# Altium PCB LimeSDR_Mini_1v0_Rounded.PcbDoc (part 5 of 5)
Units mm, origin at the board's own origin, x right, y up, seen from the top; angles counter-clockwise.
Board outline 69 x 52 mm, 8 copper layers (Top, L2, L3, L4, L5, L6, L7, Bottom), stack 1.555 mm thick; 371 components, 281 nets, 1636 pads, 782 vias.
Unrouted connection lines stored in the file: 12.
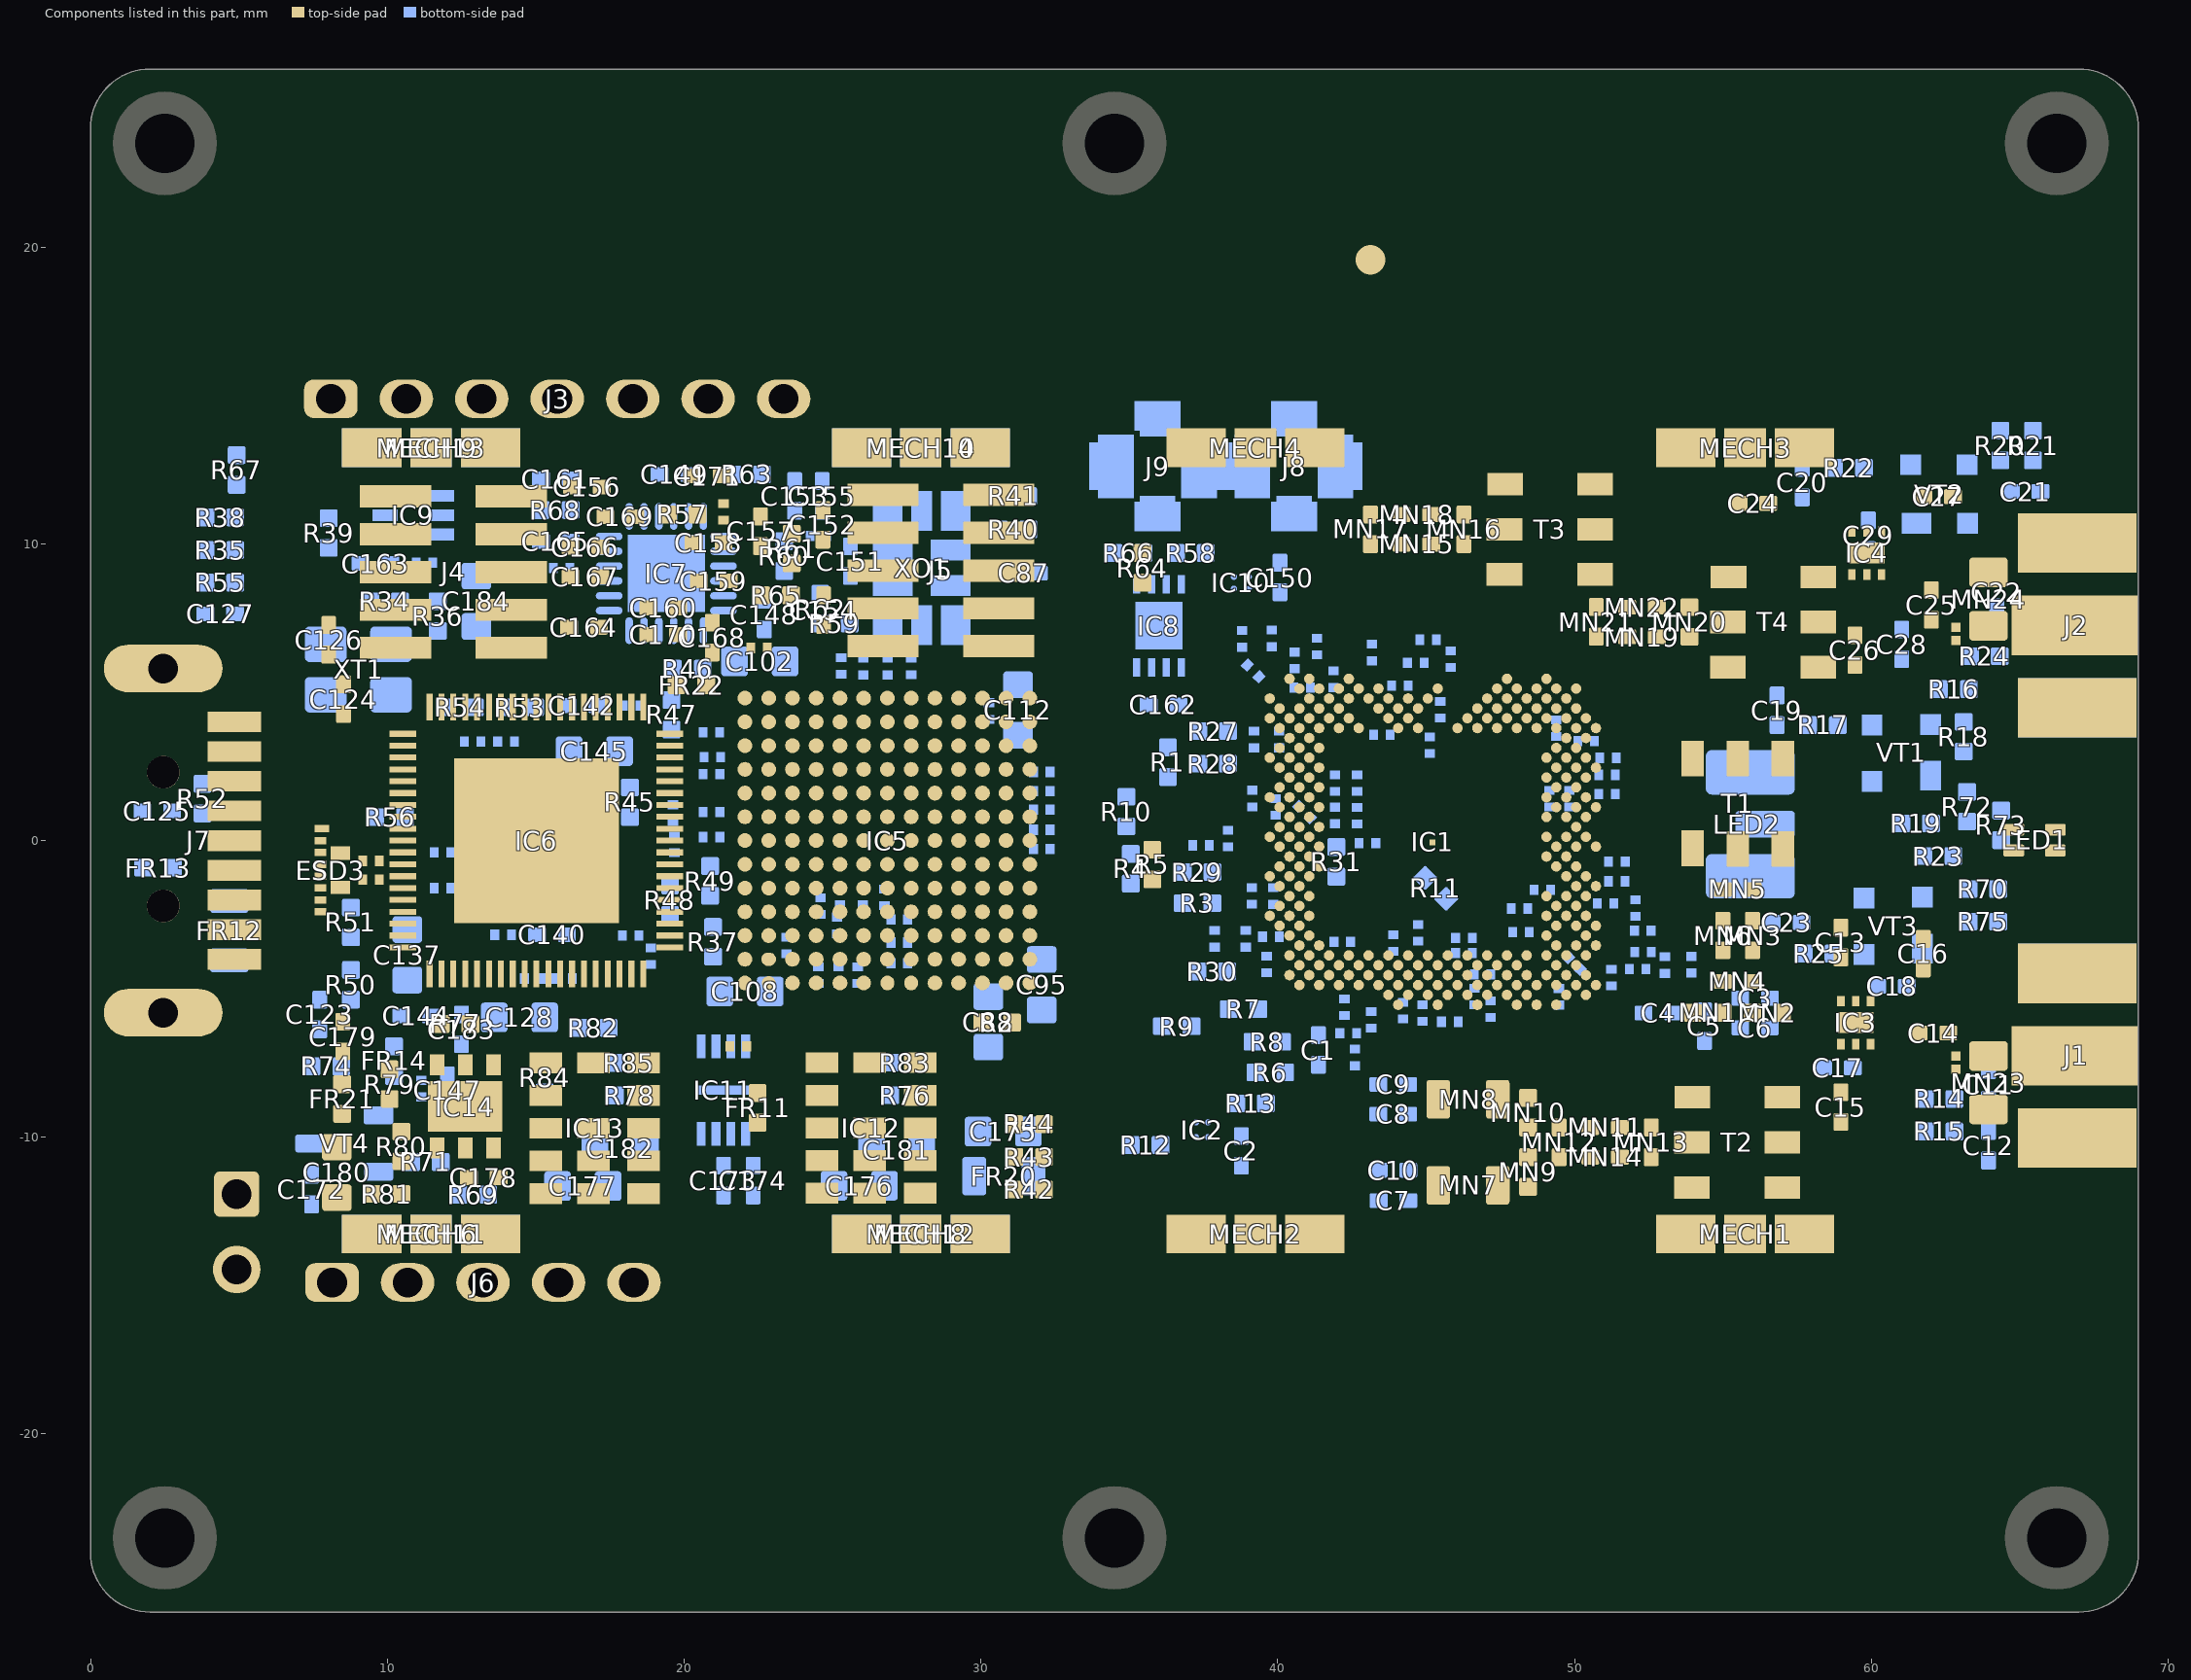
[diagram p11: the components of this part, seen from the top]

## Other copper
Top:
  region net GND: 3.4,3.365 5.75,3.365 5.75,2.64 3.4,2.64
  region net GND: 62.275,6.44 62.025,6.44 61.9,6.315 61.9,6.09 61.975,6.015 62.475,6.015 63.075,6.615 63.075,6.89 62.65,6.89 62.65,6.815
  region net GND: 63,-7.56 63.2,-7.76 63.2,-8.135 63.1,-8.235 62.7,-8.235 62.55,-8.085 62.55,-7.71 62.7,-7.56
  region net VCC1P8_LMS: 57.31,-5.46 57.135,-5.285 56.866,-5.285 56.693,-5.458 56.693,-5.808 57.308,-5.808
  region net VCC1P8_LMS: 57.31,-6.156 57.131,-6.335 56.87,-6.335 56.693,-6.158 56.693,-5.808 57.308,-5.808
  region net VCC1P8_LMS: 53.675,-6.156 53.854,-6.335 54.116,-6.335 54.293,-6.158 54.293,-5.808 53.677,-5.808
  region net VCC1P8_LMS: 53.675,-5.46 53.85,-5.285 54.12,-5.285 54.293,-5.458 54.293,-5.808 53.677,-5.808
  region net VDIO_LMS_FPGA: 10.375,-8.01 10.375,-7.16 10.025,-6.81 8.175,-6.81 8.175,-8.21 8.475,-8.51 8.825,-8.51 9.325,-8.01
  region net NetIC14_4: 9.725,-8.41 9.725,-9.71 10.325,-10.31 10.75,-10.31 11.175,-10.735 11.925,-10.735 12,-10.66 12,-10.085 11.9,-9.985 11.375,-9.985 10.425,-9.035 10.425,-8.41
  region net GND: 21.45,-4.41 21.45,-4.8 22.05,-4.8 21.66,-4.41
  region net TX1_1_A_P: 48.48,-5.778 48.427,-5.725 48.427,-5.583
  region net NetJ7_7: 4.85,-0.34 4.025,-0.34 3.875,-0.49 3.625,-0.49 3.525,-0.39 3.525,0 4.85,0
  region net NetJ7_7: 4.85,0.34 4.025,0.34 3.875,0.49 3.625,0.49 3.525,0.39 3.525,0 4.85,0
  region net GND: 48.675,-1.538 49.453,-1.538 49.475,-1.56 49.475,-1.36 48.7,-0.585 48.675,-0.585
  region net GND: 16.011,-12.887 16.011,-12.022 16.136,-11.897 17.786,-11.897 17.786,-12.887
  region net GND: 16.064,-6.589 16.064,-7.37 16.189,-7.495 17.839,-7.495 17.839,-6.589
  region net GND: 25.375,-6.579 25.375,-7.36 25.5,-7.485 27.15,-7.485 27.15,-6.579
  region net GND: 25.375,-12.66 25.375,-12.01 25.5,-11.885 27.15,-11.885 27.15,-12.66
  region net USB_VBUS: 3,-3.31 3,-2.69 4.28,-2.69 4.3,-2.71 4.3,-3.285 4.275,-3.31
  region net USB_VBUS: 5.75,-2.64 3.975,-2.64 3.8,-2.465 3.225,-2.465 3,-2.69 3,-2.99 5.75,-2.99
  region net USB_VBUS: 5.75,-3.36 3.975,-3.36 3.8,-3.535 3.225,-3.535 3,-3.31 3,-3.01 5.75,-3.01
  region net VCC3P3: 18.075,-10.435 19.425,-10.435 19.625,-10.635 19.625,-10.795 18.075,-10.795
  region net VCC3P3: 18.075,-11.155 19.425,-11.155 19.625,-10.955 19.625,-10.795 18.075,-10.795
  region net VCC3P3: 18.075,-11.535 19.425,-11.535 19.625,-11.735 19.625,-11.895 18.075,-11.895
  region net VCC3P3: 18.075,-12.255 19.425,-12.255 19.625,-12.055 19.625,-11.895 18.075,-11.895
  region net VCC3P3: 19.425,-11.155 19.425,-11.535 18.075,-11.535 18.075,-11.155
  region net VCC5P0_USB: 14.553,-11.155 14.553,-11.535 15.903,-11.535 15.903,-11.155
  region net VCC5P0_USB: 15.903,-12.255 14.553,-12.255 14.353,-12.055 14.353,-11.895 15.903,-11.895
  region net VCC5P0_USB: 15.903,-11.535 14.553,-11.535 14.353,-11.735 14.353,-11.895 15.903,-11.895
  region net VCC5P0_USB: 15.903,-11.155 14.553,-11.155 14.353,-10.955 14.353,-10.795 15.903,-10.795
  region net VCC5P0_USB: 15.903,-10.435 14.553,-10.435 14.353,-10.635 14.353,-10.795 15.903,-10.795
  region net NetIC13_1: 15.903,-7.855 14.553,-7.855 14.353,-7.655 14.353,-7.495 15.903,-7.495
  region net NetIC13_1: 15.903,-7.135 14.553,-7.135 14.353,-7.335 14.353,-7.495 15.903,-7.495
  region net NetIC13_11: 18.075,-7.135 19.425,-7.135 19.625,-7.335 19.625,-7.495 18.075,-7.495
  region net NetIC13_11: 18.075,-7.855 19.425,-7.855 19.625,-7.655 19.625,-7.495 18.075,-7.495
  region net NetIC13_10: 18.075,-8.235 19.425,-8.235 19.625,-8.435 19.625,-8.595 18.075,-8.595
  region net NetIC13_10: 18.075,-8.955 19.425,-8.955 19.625,-8.755 19.625,-8.595 18.075,-8.595
  region net VCC1P8: 27.386,-10.425 28.736,-10.425 28.936,-10.625 28.936,-10.785 27.386,-10.785
  region net VCC1P8: 27.386,-11.145 28.736,-11.145 28.936,-10.945 28.936,-10.785 27.386,-10.785
  region net VCC1P8: 27.386,-11.525 28.736,-11.525 28.936,-11.725 28.936,-11.885 27.386,-11.885
  region net VCC1P8: 27.386,-12.245 28.736,-12.245 28.936,-12.045 28.936,-11.885 27.386,-11.885
  region net VCC1P8: 28.736,-11.145 28.736,-11.525 27.386,-11.525 27.386,-11.145
  region net VCC5P0_USB: 23.864,-11.145 23.864,-11.525 25.214,-11.525 25.214,-11.145
  region net VCC5P0_USB: 25.214,-12.245 23.864,-12.245 23.664,-12.045 23.664,-11.885 25.214,-11.885
  region net VCC5P0_USB: 25.214,-11.525 23.864,-11.525 23.664,-11.725 23.664,-11.885 25.214,-11.885
  region net VCC5P0_USB: 25.214,-11.145 23.864,-11.145 23.664,-10.945 23.664,-10.785 25.214,-10.785
  region net VCC5P0_USB: 25.214,-10.425 23.864,-10.425 23.664,-10.625 23.664,-10.785 25.214,-10.785
  region net NetIC12_11: 27.386,-7.125 28.736,-7.125 28.936,-7.325 28.936,-7.485 27.386,-7.485
  region net NetIC12_11: 27.386,-7.845 28.736,-7.845 28.936,-7.645 28.936,-7.485 27.386,-7.485
  region net PG_VCC1P8: 27.386,-8.225 28.736,-8.225 28.936,-8.425 28.936,-8.585 27.386,-8.585
  region net PG_VCC1P8: 27.386,-8.945 28.736,-8.945 28.936,-8.745 28.936,-8.585 27.386,-8.585
  region net VCC3P3A: 21.95,-8.835 22.125,-9.01 22.875,-9.01 23.2,-8.685 23.2,-6.76 23.075,-6.635 22.075,-6.635 21.95,-6.76
  region net VCC1P8_LMS: 45.825,-8.06 44.8,-8.06 44.625,-8.235 44.625,-9.185 44.825,-9.385 45.825,-9.385
  region net VCC1P8_LMS: 45.825,-12.277 44.8,-12.277 44.625,-12.102 44.625,-11.152 44.825,-10.952 45.825,-10.952
  pour cut-out: 5.075,-4.46 9.075,-4.46 10.325,-3.21 10.325,3.015 8.15,3.015 6.58,1.445 5.855,1.445 5.075,0.665
  region net VCC1P8: 21.125,11.19 20.95,11.365 20.95,11.89 21,11.94 21.875,11.94 21.925,11.89 21.925,11.39 21.725,11.19
  region net VDIO_LMS: 7.8,-10.61 7.8,-11.285 7.925,-11.41 8.675,-11.41 8.8,-11.285 8.8,-10.61
  pour cut-out: 43.477,-13.01 42.1,-11.633 42.1,-7.51 43.1,-6.51 44.1,-6.51 45.925,-4.685 48.54,-4.685 49.515,-5.66 51.65,-5.66 52.525,-4.785 52.525,0.94 53.075,1.49 54.6,1.49 54.825,1.715 54.825,4.215 54.325,4.715 51.96,4.715 50.66,3.415 45.45,3.415 45.45,4.715 43.325,6.84 40.9,6.84 40.125,7.615 40.125,11.09 42.025,12.99 63.8,12.99 66.275,10.515 69,10.515 69,3.015 64.75,3.015 64.35,2.615 63.6,2.615 62,1.015 62,-0.685 63.625,-2.31 64.35,-2.31 65.45,-3.41 69,-3.41 69,-6.96 69,-10.535 66.25,-10.535 63.775,-13.01
  region net GND: 57.925,9.715 57.175,8.965 57.175,8.74 57.425,8.49 58.825,8.49 58.825,9.665 58.775,9.715
  region net GND: 49.15,12.99 49.55,12.59 49.55,12.015 49.95,11.615 51.425,11.615 52.175,12.365 52.175,12.99
  region net GND: 56.845,-7.685 55.96,-8.57 55.96,-8.795 56.21,-9.045 57.785,-9.045 58.035,-8.795 58.035,-8.57 57.15,-7.685
  region net VCC3P3: 12.5,-6.535 12.525,-6.535 13.325,-7.335 13.325,-7.91 13.875,-7.91 14.075,-8.11 14.075,-9.96 14.575,-9.46 14.575,-8.035 14.05,-7.51 14.05,-6.86 13.025,-5.835 12.5,-5.835
  region net VCC3P3: 14.575,-9.46 14.575,-10.035 13.9,-10.71 13.325,-10.71 13.325,-10.01 13.9,-10.01 14.125,-9.785 14.125,-9.46
  region net GND: 13.025,-7.21 13.175,-7.36 13.175,-8.11 13.925,-8.11 13.925,-9.81 11.375,-9.81 11.375,-8.11 12.15,-8.11 12.15,-7.21
  region net VDIO_LMS: 8.8,-8.91 8.1,-8.91 7.8,-9.21 7.8,-10.085 8.8,-10.085
  region net GND: 52.9,3.865 52.9,1.657 54.642,1.657 54.642,3.865
  region net NetC11_2: 63.3,-9.36 63.3,-9.71 63.475,-9.885 64.425,-9.885 64.6,-9.71 64.6,-9.36
  region net NetC21_2: 63.3,9.34 63.3,9.565 64.125,10.39 64.4,10.39 64.6,10.19 64.6,9.34
  region net GND: 64.7,-5.485 64.7,-2.01 67.55,-2.01 68.95,-3.41 68.95,-5.485
  region net GND: 64.7,9.015 64.7,12.49 67.55,12.49 68.95,11.09 68.95,9.015
  region net GND: 64.7,5.49 64.7,2.29 68.071,2.29 68.95,3.169 68.95,5.49
  region net GND: 64.7,-9.01 64.7,-12.485 67.55,-12.485 68.95,-11.085 68.95,-9.01
L2:
  pour cut-out: 54.15,6.555 53.535,6.555 53.535,7.18 54.15,7.18
  pour cut-out: 50.96,6.555 50.435,6.555 50.435,7.18 50.96,7.18
  pour cut-out: 50.96,8.175 50.435,8.175 50.435,7.55 50.96,7.55
  pour cut-out: 53.06,7.125 53.06,6.6 52.435,6.6 52.435,7.125
  pour cut-out: 51.44,7.125 51.44,6.6 52.065,6.6 52.065,7.125
  pour cut-out: 53.06,8.125 53.06,7.6 52.435,7.6 52.435,8.125
  pour cut-out: 51.44,8.125 51.44,7.6 52.065,7.6 52.065,8.125
  pour cut-out: 54.69,-6.11 55.315,-6.11 55.315,-5.485 54.69,-5.485
  pour cut-out: 55.69,-6.11 56.315,-6.11 56.315,-5.485 55.69,-5.485
  pour cut-out: 56.31,-5.01 56.31,-4.485 55.685,-4.485 55.685,-5.01
  pour cut-out: 54.69,-5.01 54.69,-4.485 55.315,-4.485 55.315,-5.01
  pour cut-out: 54.69,-1.91 54.69,-1.385 55.315,-1.385 55.315,-1.91
  pour cut-out: 56.31,-1.91 56.31,-1.385 55.685,-1.385 55.685,-1.91
  pour cut-out: 55.26,-4.01 54.735,-4.01 54.735,-3.385 55.26,-3.385
  pour cut-out: 55.26,-2.39 54.735,-2.39 54.735,-3.015 55.26,-3.015
  pour cut-out: 56.26,-4.01 55.735,-4.01 55.735,-3.385 56.26,-3.385
  pour cut-out: 56.26,-2.39 55.735,-2.39 55.735,-3.015 56.26,-3.015
  pour cut-out: 51.845,-10.93 51.845,-10.405 51.22,-10.405 51.22,-10.93
  pour cut-out: 50.225,-10.93 50.225,-10.405 50.85,-10.405 50.85,-10.93
  pour cut-out: 51.845,-9.93 51.845,-9.405 51.22,-9.405 51.22,-9.93
  pour cut-out: 50.225,-9.93 50.225,-9.405 50.85,-9.405 50.85,-9.93
  pour cut-out: 52.325,-10.98 52.85,-10.98 52.85,-10.355 52.325,-10.355
  pour cut-out: 52.325,-9.36 52.85,-9.36 52.85,-9.985 52.325,-9.985
  pour cut-out: 49.225,-9.36 49.75,-9.36 49.75,-9.985 49.225,-9.985
  pour cut-out: 49.225,-10.98 49.75,-10.98 49.75,-10.355 49.225,-10.355
  pour cut-out: 48.125,-10.36 48.125,-10.985 48.75,-10.985 48.75,-10.36
  pour cut-out: 48.125,-9.36 48.125,-9.985 48.75,-9.985 48.75,-9.36
  region net GND: 4.95,-7.685 4.95,-8.935 10.625,-8.935 10.625,-7.685
  region net USB_GND: 5.892,-6.935 10,-6.935 10.239,-6.696 10.239,-6.274 10.15,-6.185 5.825,-6.185 5.825,-6.868
  pour cut-out: 48.25,9.365 48.25,8.565 47.025,8.565 47.025,9.365
  pour cut-out: 48.275,12.405 48.275,11.605 47.05,11.605 47.05,12.405
  pour cut-out: 51.3,9.365 51.3,8.565 50.075,8.565 50.075,9.365
  pour cut-out: 54.585,-8.255 54.585,-9.055 53.36,-9.055 53.36,-8.255
  pour cut-out: 54.56,-11.295 54.56,-12.095 53.335,-12.095 53.335,-11.295
  pour cut-out: 57.61,-11.295 57.61,-12.095 56.385,-12.095 56.385,-11.295
  pour cut-out: 56.625,3.375 57.425,3.375 57.425,2.15 56.625,2.15
  pour cut-out: 53.585,0.35 54.385,0.35 54.385,-0.875 53.585,-0.875
  pour cut-out: 56.625,0.325 57.425,0.325 57.425,-0.9 56.625,-0.9
  pour cut-out: 54.58,8.49 54.58,9.29 55.805,9.29 55.805,8.49
  pour cut-out: 54.555,5.45 54.555,6.25 55.78,6.25 55.78,5.45
  pour cut-out: 57.59,5.451 57.59,6.251 58.815,6.251 58.815,5.451
  pour cut-out: 64.72,8.252 64.72,6.252 69,6.252 69,8.252
  pour cut-out: 54.15,7.555 53.535,7.555 53.535,8.18 54.15,8.18
  pour cut-out: 46.575,10.68 45.96,10.68 45.96,11.305 46.575,11.305
  pour cut-out: 43.865,11.25 43.865,10.725 44.49,10.725 44.49,11.25
  pour cut-out: 45.485,11.25 45.485,10.725 44.86,10.725 44.86,11.25
  pour cut-out: 43.865,10.25 43.865,9.725 44.49,9.725 44.49,10.25
  pour cut-out: 45.485,10.25 45.485,9.725 44.86,9.725 44.86,10.25
  pour cut-out: 43.385,11.3 42.86,11.3 42.86,10.675 43.385,10.675
  pour cut-out: 43.385,9.68 42.86,9.68 42.86,10.305 43.385,10.305
  pour cut-out: 46.575,9.68 45.96,9.68 45.96,10.305 46.575,10.305
  pour cut-out: 63.3,-7.76 63.3,-6.76 64.6,-6.76 64.6,-7.76
  pour cut-out: 63.3,6.74 63.3,7.74 64.6,7.74 64.6,6.74
  pour cut-out: 64.72,-6.248 64.72,-8.248 69,-8.248 69,-6.248
L3:
  region net VCC3P3A: 22.375,-7.11 23.15,-7.11 23.2,-7.06 23.2,-6.685 22.7,-6.185 22.475,-6.185 22.325,-6.335 22.325,-7.06
  region net VCC5P0_USB: 5.075,-5.31 5.175,-5.41 5.975,-5.41 6.075,-5.31 6.075,-4.66 5.625,-4.21 5.075,-4.21
  pour cut-out: 64.72,8.252 64.72,6.252 69,6.252 69,8.252
  pour cut-out: 63.3,-7.76 63.3,-6.76 64.6,-6.76 64.6,-7.76
  pour cut-out: 63.3,6.74 63.3,7.74 64.6,7.74 64.6,6.74
  pour cut-out: 64.72,-6.248 64.72,-8.248 69,-8.248 69,-6.248
L4:
  pour cut-out: 64.72,8.252 64.72,6.252 69,6.252 69,8.252
  pour cut-out: 64.72,-6.248 64.72,-8.248 69,-8.248 69,-6.248
L5:
  region net AVDD_FT: 10.975,-6.535 10.85,-6.66 10.85,-7.56 10.975,-7.685 11.375,-7.685 11.5,-7.56 11.5,-6.66 11.375,-6.535
  pour cut-out: 64.72,8.252 64.72,6.252 68.92,6.252 68.92,8.252
  pour cut-out: 64.72,-6.248 64.72,-8.248 68.92,-8.248 68.92,-6.248
  text "A" at 0.575,-8.36 h0.7
  text "V" at 1.575,-8.36 h0.7
  text "L" at 1.05,-8.935 h0.7
  text "D" at 0.8,-10.56 h0.7
  text "R" at 1.35,-10.56 h0.7
L7:
  pour cut-out: 26.35,7.94 26.35,6.677 26.437,6.59 27.35,6.59 27.35,7.94
L6:
  region net VCC3P3A: 22.375,-7.11 23.15,-7.11 23.2,-7.06 23.2,-6.685 22.7,-6.185 22.475,-6.185 22.25,-6.41 22.25,-6.985
  region net VCC1P8: 21.075,11.515 20.95,11.64 20.95,11.815 21.437,12.302 21.825,11.915 21.825,11.615 21.725,11.515
Bottom:
  region net GND: 25.8,8.59 25.85,8.64 25.85,8.965 25.75,9.065 25.2,9.065 25,8.865 25,8.69 25.1,8.59
  region net GND: 36.625,8.965 37.25,8.965 37.45,8.765 37.45,5.615 37.35,5.515 35.6,5.515 35.6,6.165 36.95,6.165 36.95,8.265 36.625,8.265
  region net NetC153_2: 24.1,9.79 24.4,10.09 24.4,10.44 23.925,10.915 23.5,10.915 23.075,10.49 23.075,10.09 23.375,9.79
  region net GND: 27.414,-12.356 27.229,-12.356 26.975,-12.61 26.225,-12.61 26.225,-12.51 26.725,-12.01 27.55,-12.01 27.55,-12.22
  region net NetC21_2: 64.875,11.415 64.525,11.415 64,11.94 64,13.115 65.8,13.115 65.8,12.59 65.2,11.99 65.2,11.74
  region net NetC11_2: 62.5,-8.36 64.225,-8.36 64.425,-8.56 64.425,-9.96 64.228,-10.157 62.5,-10.157
  region net VCC1P8_LMS: 56.285,-6.66 56.8,-6.66 57.2,-6.26 57.2,-5.36 56.8,-4.96 56.285,-4.96
  region net VCC1P8_LMS: 44.042,-12.293 44.133,-12.385 44.892,-12.385 45.1,-12.177 45.1,-11.618 44.042,-11.618
  region net GND: 64.598,8.94 64.598,10.663 65.155,11.22 68.95,11.22 68.95,8.94
  region net GND: 64.598,9.085 64.598,8.768 68.95,8.768 68.95,9.085
  region net GND: 64.598,4.645 64.598,2.69 68.95,2.69 68.95,4.645
  region net GND: 64.598,4.645 64.598,5.465 68.796,5.465 68.796,4.645
  region net GND: 65.025,-3.945 65.025,-3.11 68.796,-3.11 68.796,-3.945
  region net VDIO_LMS: 37.775,-9.835 37.64,-9.845 37.5,-9.985 37.5,-10.11
  region net GND: 48.861,-0.884 48.861,1.004 48.8,1.065 48.75,1.065 48.65,0.965 48.753,0.862 48.753,-0.982
  region net GND: 12.142,2.737 17,2.74 17.714,2.026 17.714,-2.646 17.671,-2.689 12.153,-2.689
  region net GND: 42.953,0.704 43.528,0.129 43.528,-0.271 43.378,-0.421 42.503,-0.421 42.503,-1.471 41.475,-2.499 41.475,-2.66 45.353,-2.66 45.353,-2.321 44.453,-1.421 44.453,-1.171 44.878,-0.746 45.053,-0.746 45.828,-1.521 46.478,-2.171 47.478,-2.171 47.653,-1.996 48.278,-1.996 48.278,-1.457 48.753,-0.982 48.753,4.987 47.75,5.99 46.175,5.99 46.175,4.665 45.85,4.34 45.85,3.44 45.414,3.004 44.628,3.004 44.428,3.204 42.953,3.204
  region net NetJ7_7: 4.125,1.215 4.2,1.14 4.2,-0.385 4.125,-0.46 3.425,-0.46 3.35,-0.385 3.35,1.14 3.425,1.215
  region net VD10_FT: 10.575,-7.235 10.575,-6.935 10.775,-6.735 10.775,-4.35 10.675,-4.25 9.86,-4.25 9.55,-4.56 9.55,-6.91 9.9,-7.26 10.55,-7.26
  region net VCC3P3_CLK: 11.375,9.74 11.55,9.915 11.925,9.915 12.6,9.24 12.6,8.69 11.675,8.69 11.375,8.99
  region net VCC3P3: 13.625,4.06 13.875,3.81 13.875,3.16 13,3.16 13,3.81 13.25,4.06
  region net VCC3P3: 20.385,0.2 20.135,-0.05 19.485,-0.05 19.485,0.79 19.825,0.79 20.044,0.615 20.385,0.615 20.385,0.255
  region net VCC3P3: 18.375,-2.96 18.325,-3.01 18.325,-3.435 18.675,-3.785 19.05,-3.785 19.05,-2.96
  region net VCC3P3: 15.225,-5.36 14.975,-5.11 14.975,-4.46 15.85,-4.46 15.85,-5.11 15.6,-5.36
  region net NetC45_1: 38.988,5.66 39.501,6.172 39.501,6.472 39.501,6.597 39.401,6.697 38.276,6.697 38.251,6.672 38.251,6.397
  region net GND: 45.976,-2.303 45.976,-2.828 47.601,-2.828 47.601,-2.303
  region net GND: 40.398,2.802 40.398,1.969 40.201,1.772 39.276,1.772 39.251,1.797 39.251,2.997 39.351,3.097 40.102,3.097
  region net VDIO_LMS: 41.226,-1.453 41.776,-0.903 42.026,-0.903 42.026,-1.428 41.626,-1.828 41.426,-1.828 41.226,-1.628
  region net NetC75_1: 44.676,4.922 44.676,5.447 44.776,5.547 45.051,5.547 45.076,5.522 45.076,5.222 44.851,4.997 44.733,4.879
  region net GND: 44.851,4.147 45.001,4.297 45.601,4.297 45.601,3.972 45.426,3.797 44.976,3.797
  region net NetC163_1: 9.5,10.515 9.5,9.34 9.75,9.09 11.075,9.09 11.175,9.19 11.175,9.815 10.475,10.515
  region net VCC3P3: 18.975,-9.255 19.6,-9.88 19.6,-12.08 19.175,-12.505 18.25,-12.505 18.25,-9.28 18.275,-9.255
  region net NetIC13_10: 18.264,-8.235 19.425,-8.235 19.625,-8.435 19.625,-8.595 18.264,-8.595
  region net NetIC13_10: 18.264,-8.955 19.425,-8.955 19.625,-8.755 19.625,-8.595 18.264,-8.595
  region net NetIC13_11: 18.325,-7.855 19.425,-7.855 19.625,-7.655 19.625,-7.495 18.325,-7.495
  region net NetIC13_11: 18.325,-7.135 19.425,-7.135 19.625,-7.335 19.625,-7.495 18.325,-7.495
  region net VCC5P0_USB: 16.175,-10.78 15.95,-10.555 14.525,-10.555 14.375,-10.705 14.375,-12.005 14.525,-12.155 16,-12.155 16.175,-11.98
  region net PG_VCC1P8: 27.575,-8.225 28.736,-8.225 28.936,-8.425 28.936,-8.585 27.575,-8.585
  region net PG_VCC1P8: 27.575,-8.945 28.736,-8.945 28.936,-8.745 28.936,-8.585 27.575,-8.585
  region net NetIC12_11: 27.636,-7.845 28.736,-7.845 28.936,-7.645 28.936,-7.485 27.636,-7.485
  region net NetIC12_11: 27.636,-7.125 28.736,-7.125 28.936,-7.325 28.936,-7.485 27.636,-7.485
  region net VCC5P0_USB: 25.486,-10.77 25.261,-10.545 23.836,-10.545 23.686,-10.695 23.686,-11.995 23.836,-12.145 25.311,-12.145 25.486,-11.97
  region net VCC5P0_USB: 14.525,-10.555 14.525,-9.935 15.05,-9.41 15.375,-9.41 15.95,-9.985 15.95,-10.555
  region net VDIO_LMS: 37.091,2.374 36.55,2.915 36.55,3.54 37.046,4.036 37.626,4.036 37.775,3.887 37.775,3.013
  region net USB_VBUS: 7.8,-3.735 8.125,-4.06 8.125,-4.56 8.625,-5.06 9.125,-5.06 9.275,-5.21 9.275,-5.71 9.125,-5.86 7.45,-5.86 6.725,-5.135 6.725,-3.735
  region net VCC1P8_LMS: 44.042,-10.943 44.125,-10.86 44.9,-10.86 45.1,-11.06 45.1,-11.618 44.042,-11.618
  region net VCC1P8_LMS: 53.025,-6.16 53.208,-6.343 54.108,-6.343 54.407,-6.045 54.407,-5.81 53.025,-5.81
  region net VCC1P8_LMS: 53.025,-5.46 53.208,-5.277 54.108,-5.277 54.283,-5.452 54.283,-5.81 53.025,-5.81
  region net NetC45_1: 38.251,6.397 38.251,6.039 38.63,5.66 38.988,5.66
  pour cut-out: 4.25,-1.685 4.25,3.815 4.75,4.315 8.25,4.315 8.75,3.815 8.75,-1.435 8.25,-1.935 4.5,-1.935
  region net USB_VBUS: 5.75,-3.335 5.95,-3.335 7.05,-4.435 7.75,-4.435 8.125,-4.06 8.125,-2.56 7.575,-2.01 5.75,-2.01
  region net VCC5P0_USB: 4.025,-3.635 4.025,-4.76 4.75,-5.485 5.825,-5.485 5.975,-5.335 5.975,-4.11 5.5,-3.635
  region net USB_VBUS: 5.75,-2.01 5.375,-1.635 3.975,-1.635 3.55,-1.635 3.125,-2.06 3.125,-2.485 3,-2.61 3,-3.41 3.125,-3.535 3.825,-3.535 4.15,-3.21 5.625,-3.21 5.75,-3.335
  region net VDIO_LMS: 35.425,-1.035 35.425,-0.61 35.55,-0.485 35.95,-0.485 36.225,-0.76 36.225,-1.035
  region net VDIO_LMS_LMK: 16.55,8.59 16.95,8.59 17.075,8.465 17.8,8.465 17.925,8.34 17.925,8.19 17.85,8.115 16.925,8.115 16.85,8.19 16.6,8.19 16.5,8.29 16.5,8.54
  region net VCC1P8: 28.34,-12.11 30.125,-12.11 30.35,-11.885 30.35,-10.86 30.025,-10.535 29.275,-10.535 28.3,-9.56 27.575,-9.56 27.575,-11.345
  region net VCC1P8_LMS: 31.375,-12.06 32.175,-12.06 32.5,-11.735 32.5,-7.835 32.05,-7.385 31.375,-7.385 30.925,-7.835 30.925,-11.61
  region net GND: 27.55,6.549 27.55,6.245 27.65,6.145 27.042,6.141 27.125,6.245 27.45,6.245 27.45,6.549
  region net VCC3P3: 19.6,-12.08 19.9,-11.78 19.9,-10.18 19.6,-9.88
  region net GND: 20.18,-8.006 20.18,-8.56 21.5,-8.56 21.5,-8.485 20.95,-7.935 20.251,-7.935
  region net GND: 20.125,7.765 20.5,7.39 20.5,6.565 20.85,6.215 21.875,6.215 21.95,6.29 21.95,7.04 21.525,7.465 20.925,7.465 20.625,7.765
  region net GND: 18.15,6.948 18.65,6.948 18.65,8.065 18.15,7.565 18.15,7.088
  region net GND: 25.05,5.015 24.7,5.015 24.025,5.69 24.025,6.415 24.2,6.59 26.05,6.59 26.225,6.415 27.475,6.415 27.475,5.99 24.975,5.99 24.85,5.865 24.85,5.2 25.04,5.2 25.05,5.19
  region net GND: 8.925,9.09 8.8,9.215 8.8,9.34 8.725,9.415 8.425,9.415 8.177,9.167 8.177,10.015 9.4,10.015 9.4,9.09
  region net GND: 15.639,10.777 15.639,10.604 15.475,10.44 15.25,10.44 15.2,10.49 15.2,10.64 15.225,10.665 15.527,10.665
  region net VCC3P3: 21.05,2.065 21.05,2.99 20.875,3.165 21.248,3.165 21.345,3.068 21.345,2.38 21.345,2.065
  region net GND: 20.18,-8.56 20.18,-9.19 20.25,-9.26 20.675,-9.26 20.75,-9.185 20.75,-8.935 20.95,-8.735 22.55,-8.735 22.875,-8.41 22.875,-8.185 21.24,-8.185 20.968,-7.914
  region net NetC50_1: 51.875,-2.86 51.625,-3.11 50.346,-3.11 50.346,-3.281 51.025,-3.96 52.2,-3.96 52.2,-2.86
  region net GND: 10.017,-11.86 8.9,-11.86 8.9,-11.163 8.84,-11.103 9.083,-10.86 10.385,-10.86 10.385,-11.492
  region net AVDD_FT: 9.925,-8.235 12.225,-8.235 12.275,-8.185 12.275,-7.479 11.459,-6.785 11.025,-6.785 10.95,-6.86 10.95,-7.26 10.8,-7.41 9.875,-7.41 9.875,-8.185
  region net VCC5P0_USB: 13.1,-11.585 14.3,-11.585 14.438,-11.448 14.575,-11.448 14.575,-12.105 14.395,-12.285 13.1,-12.285
  region net VCC1P8_LMS: 44.042,-8.043 44.125,-7.96 44.9,-7.96 45.1,-8.16 45.1,-8.718 44.042,-8.718
  region net VCC1P8_LMS: 44.042,-9.393 44.133,-9.485 44.892,-9.485 45.1,-9.277 45.1,-8.718 44.042,-8.718
  region net GND: 11.8,-5.323 11.562,-5.56 11.175,-5.56 11.175,-6.26 11.275,-6.36 12.85,-6.36 12.875,-6.335 12.875,-5.685 12.85,-5.685 12.7,-5.535 12.177,-5.535 12.009,-5.366
  region net GND: 64.598,5.42 64.598,5.736 68.95,5.736 68.95,5.42
  region net GND: 64.691,-3.224 64.691,-5.732 68.95,-5.732 68.95,-3.224
  region net GND: 64.691,-9.08 64.691,-11.272 68.95,-11.272 68.95,-9.08
  region net GND: 64.598,-9.08 64.598,-8.764 68.95,-8.764 68.95,-9.08

## Silkscreen, mask and mechanical layers (free items; w line width, h text height)
TopOverlay:
  drawing of 631 lines, arcs and shapes, not listed
  text "TCK" at 31.9,14.365 h0.7
  text "TDO" at 34.475,14.365 h0.7
  text "TMS" at 37.125,14.365 h0.7
  text "TDI" at 39.725,14.365 h0.7
  text "VCC1P8" at 42.15,14.365 h0.7
  text "GND" at 29.225,14.34 h0.7
  text "VCC5P0_USB" at 46.775,14.24 h0.7
  text "C" at 4.725,14.19 h1 r90
  text "FPGA JTAG" at 16.825,12.89 h0.7
  text "v1.0" at 5.875,12.765 h1.45 r90
  text "RX" at 67.925,11.715 h1.7 r90
  text "Mini" at 5.875,9.165 h1.45 r90
  text "LimeSDR" at 4.8,7.515 h1.45 r90
  text "FPGA GPIO" at 34.05,5.19 h0.7 r90
  text "USB3.0" at 7.825,1.065 h0.7 r90
  text "LMS7002M" at 38.95,-4.01 h0.9 r90
  text "ALTERA MAX10" at 33.675,-5.085 h0.7 r90
  text "VCC3P3A" at 21.825,-6.735 h0.55
  text "BOM VER" at 30.75,-8.86 h0.55
  text "2" at 29.8,-10.01 h0.55
  text "1" at 29.775,-11.135 h0.55
  text "0" at 29.775,-12.16 h0.55
  text "VCC3P3" at 20.625,-12.335 h0.55 r90
  text "VCC1P8" at 29.725,-12.51 h0.55 r90
  text "FAN" at 4,-13.735 h0.55
  text "GND" at 29.25,-15.46 h0.7
  text "VCC3P3" at 39.3,-15.46 h0.7
  text "VCC1P8" at 44.15,-15.46 h0.7
  text "TX" at 67.925,-15.46 h1.7 r90
  text "VCC" at 1.75,-15.51 h0.55
  text "EGPIO(0-1)" at 32.1,-15.51 h0.7
BottomOverlay:
  drawing of 657 lines, arcs and shapes, not listed
  text "OUT" at 36.65,14.965 h0.55
  text "IN" at 40.975,14.965 h0.55
  text "RX" at 68.775,14.54 h1.7 r90
  text "REF / CLK" at 44.125,7.715 h0.7
  text "TX" at 68.775,-10.91 h1.7 r90
TopSolder:
  region: 65.323,-17.96 65.323,-17.01 ccw(c65.323,-15.335) 66.998,-15.335 67.785,-15.335 67.785,-17.96
  region: 67.95,15.325 67,15.325 ccw(c65.325,15.325) 65.325,17 65.325,17.788 67.95,17.788
  region: 3.675,17.95 3.675,17 ccw(c3.675,15.325) 2,15.325 1.212,15.325 1.212,17.95
  region: 1.05,-15.325 2,-15.325 ccw(c3.675,-15.325) 3.675,-17 3.675,-17.788 1.05,-17.788
  region: 69,24 ccw(c67,24) 67,26 2,26 ccw(c2,24) 0,24 0,17 69,17
  region: 0,-24 ccw(c2,-24) 2,-26 67,-26 ccw(c67,-24) 69,-24 69,-17 0,-17
  lines w0.2: 67.799,10.924 67.832,10.924
  lines w0.5: 33.026,2.88 33.026,4.108 33.452,4.534 ; 33.454,-13.356 33.46,-13.362 33.46,-13.5 ; 67.799,10.924 67.799,10.956
  lines w0.7: 33.026,2.88 34.148,1.759 34.148,0.094 33.744,-0.31
  lines w2: 1,-18 1,17.906 ; 33.7,-14.456 33.7,16.6 ; 67.975,-3.328 67.975,3.328 ; 68,-18 68,-9.922 ; 68,10.75 68,17.406
BottomSolder:
  region: 65.323,-17.96 65.323,-17.01 ccw(c65.323,-15.335) 66.998,-15.335 67.785,-15.335 67.785,-17.96
  region: 67.95,15.325 67,15.325 ccw(c65.325,15.325) 65.325,17 65.325,17.788 67.95,17.788
  region: 3.675,17.95 3.675,17 ccw(c3.675,15.325) 2,15.325 1.212,15.325 1.212,17.95
  region: 1.05,-15.325 2,-15.325 ccw(c3.675,-15.325) 3.675,-17 3.675,-17.788 1.05,-17.788
  region: 69,24 ccw(c67,24) 67,26 2,26 ccw(c2,24) 0,24 0,17 69,17
  region: 0,-24 ccw(c2,-24) 2,-26 67,-26 ccw(c67,-24) 69,-24 69,-17 0,-17
  lines w2: 1,-17.078 1,-5.95 ; 1,5.95 1,17.078 ; 33.675,-17.996 33.675,-13.306 33.675,17.75 ; 33.7,-19.146 33.7,-14.456 ; 68,-17.328 68,-10.672 ; 68,-8.578 68,-5.809 68,4.525 ; 68,10.672 68,17.328
Mechanical1:
  circle w0.2: c2,12.685 r1
  circle w0.2: c2,-12.685 r1
  lines w0.1: 2.025,-20.685 2.025,-15.71 ccw(c2,-15.71) 2,-15.685 ; 2.025,15.71 2.025,20.685 ; 4.3,-20.685 4.3,-15.71 ; 4.3,15.71 4.3,20.685 ; 64.7,-20.685 64.7,-15.71 ; 64.7,15.71 64.7,20.685 ; 66.975,-20.685 66.975,-15.71 ; 66.975,15.71 66.975,20.685 ; 2,-15.685 cw(c2,-13.685) 0,-13.685 0,13.685 cw(c2,13.685) 2,15.685 67,15.685 cw(c67,13.685) 69,13.685 69,-13.685 cw(c67,-13.685) 67,-15.685 2,-15.685
  lines w0.2: 25.023,15.623 ccw(c26.5,15.885) 27.973,15.598 ; 25.027,-15.598 cw(c26.5,-15.885) 27.977,-15.623 ; 55.027,-15.598 cw(c56.5,-15.885) 57.977,-15.623 ; 55.027,15.598 ccw(c56.5,15.885) 57.977,15.623
  text "NOTE: mounting cutout hole radius with the center offset to the outside of the PCB by 0.2mm" at 31,10.915 h0.7
  text "NOTE: mounting hole diameter" at 3.1,6.615 h0.7
  text "Local Fiducial" at 31.65,0.665 h0.7
  text "Vendor logo, date code,  / RoHS (bottom)" at 26.975,-15.385 h0.55
Mechanical2:
  the board outline again, w0.2
ASM BOT:
  drawing of 227 lines, arcs and shapes, not listed
  text "Assembly bottom" at 61.675,14.165 h1.25
  text "Assembly note: / LED2 can be mounted  / sticking out of the  / board or not. If mounted,  / the default position is  / sticking out." at 67.6,-15.585 h0.35
ASM TOP:
  lines w0.1: 1.525,-5.835 1.85,-4.585 ; 2.075,5.565 2.7,1.165 ; 8.225,-12.985 9.975,-11.91 ; 15.525,11.015 17.85,10.915 ; 18.55,6.215 19.3,6.94 ; 19,12.115 19.95,10.99 ; 19.2,4.14 20.25,5.24 ; 20.95,6.84 22.7,4.315 ; 22.425,6.465 23.45,5.615 ; 22.875,11.99 22.875,15.065 34.475,15.065 34.475,12.215 ; 32.55,6.365 38.575,6.365 38.575,12.215 32.55,12.215 32.55,6.365
  lines w0.2: 18.025,7.39 18.025,10.115 ; 21.775,7.34 23.6,7.34 23.6,6.315 24.8,6.315 ; 22.2,12.215 24.725,12.215
  lines w0.3: 0,-13.685 ccw(c2,-13.685) 2,-15.685 67,-15.685 ccw(c67,-13.685) 69,-13.685 69,13.685 ccw(c67,13.685) 67,15.685 2,15.685 ccw(c2,13.685) 0,13.685 0,-13.685
  text "Assembly top" at 52.975,14.14 h1.25
  text "ASSEMBLY NOTE: / J7 mechanical mechanical holes must be soldered for mechanical durability." at 6.05,-6.61 h0.55 r90

## Dimensions
26.5,-14.385 to 56.5,-14.385 on Mechanical1
26.5,14.385 to 26.5,-14.385 on Mechanical1
2,12.685 to 2,5.837 on Mechanical1
26.5,15.885 to 31.306,11.079 on Mechanical1
2.5,23.5 to 2.5,-23.5 on Mechanical1

## Text inside footprints (layer, text, board x,y; h text height)
IC1: ASM TOP "Footprint revision: r4" at 39.359,5.174 h0.4; ASM TOP "Pad size = 0.35mm / Pad paste mask = 0.35mm / No AM2 pad" at 41.384,1.924 h0.4; ASM TOP "1) paste/pad ratio ~65% / 2) 4 thermal pad vias  / without metal cap / 3) all other thermal pad  / vias with metal cap" at 40.434,-5.651 h0.4; Mechanical1 "0.2mm/0.5mm hole/ring vias under   / pad to be left open (no metal cap)" at 38.409,4.474 h0.35
J4: TopOverlay "1" at 8.425,11.565 h0.55; TopOverlay "2" at 14.85,12.565 h0.55; TopOverlay "10" at 15.925,5.865 h0.55
J5: TopOverlay "1" at 24.85,12.14 h0.55 r90; TopOverlay "9" at 24.85,5.94 h0.55 r90; TopOverlay "2" at 32.9,11.34 h0.55 r90; TopOverlay "10" at 32.9,6.265 h0.55 r90
J8: ASM BOT "in" at 40.95,11.39 h0.55
J9: ASM BOT "in" at 35.525,12.09 h0.55
LED1: ASM TOP "A" at 66.3,-0.225 h0.55; ASM TOP "C" at 64.45,-0.235 h0.55
LED2: ASM BOT "C1" at 55.3,2.735 h0.55 r90; ASM BOT "A" at 55.325,-1.04 h0.55 r90